# Altium PCB MB1936.PcbDoc (part 4 of 13) (continued)
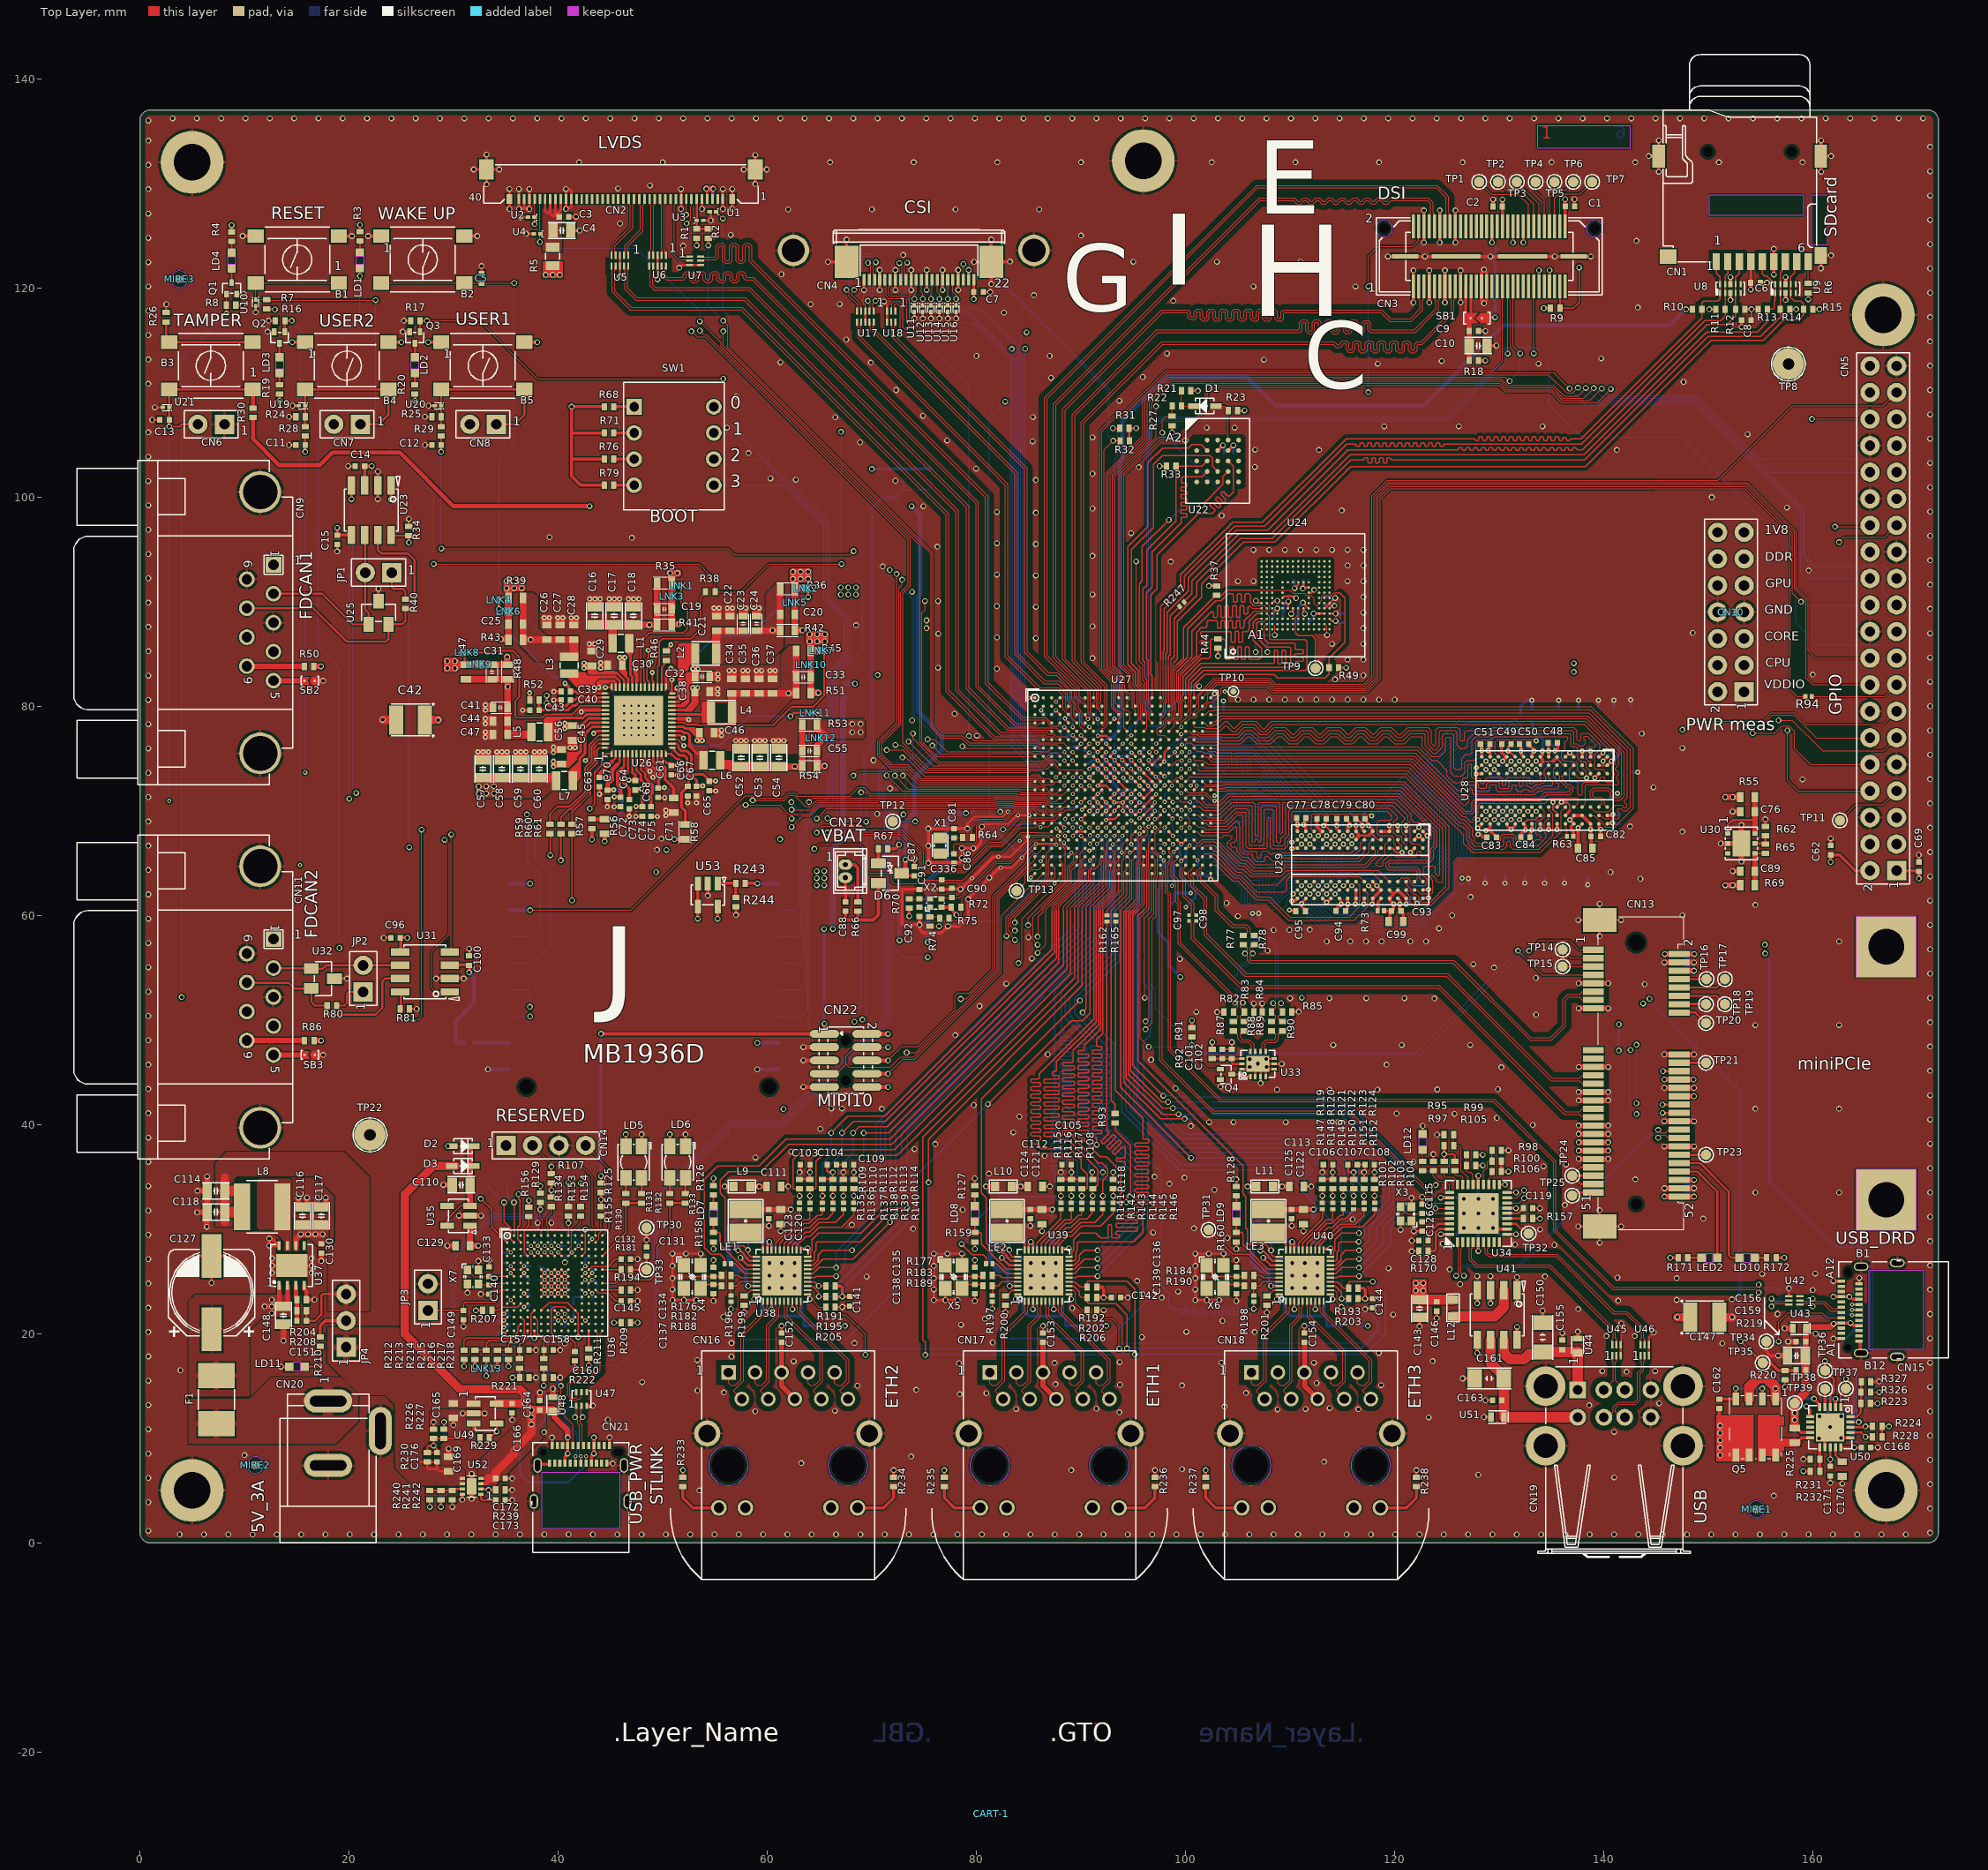
[diagram p0: Top Layer view]
## Nets (pads, with @x,y where several pads share a name; then routed paths per layer and width w, separated by ;. In a path a pad name is that pad's centre, name@x,y a point inside that pad or via, vN(x,y) a via of type N, cw(c..) or ccw(c..) an arc to the next point about the centre after c; other vN are vias at no path point) (continued)
  Top Layer w0.15: v3(42.61,74.804) 42.962,75.156 42.962,76.292 43.897,77.227 U26.53@44.53,77.227 ; U26.53@44.32,77.196 44.619,77.196 U26.53@44.65,77.227
  Top Layer w0.2: R4.1@8.773,125.35 v1(8.773,126) ; v1(13.363,109.2) R19.2@13.363,109.85 ; R3.1@21.047,125.375 v1(21.047,126.025) ; v1(26.287,109.2) R20.2@26.287,109.85 ; v1(97.509,102.95) R33.2@98.184,102.95 ; R92.1@102.55,47.19 v1(102.55,47.865) ; R23.2@104.966,108.275 v1(105.641,108.275) ; R103.2@124.725,36.475 v1(124.725,37.15) ; R97.2@124.725,37.975 v1(124.725,37.15) ; R104.1@125.75,36.475 125.75,37.025 125.625,37.15 v1(124.725,37.15) ; R99.2@127.75,37.105 v1(128.425,37.105) ; R106.2@130.2,35.5 v1(130.875,35.5) ; R157.2@133.211,31 v1(133.886,31) ; R228.2@166.595,10.125 R224.2@166.595,11.125 v1(167.27,11.125)
  Top Layer w0.25: v1(54.163,129.475) 54.163,129.394 54.25,129.306 CN2.4@54.25,128.5 ; CN2.3@54.75,128.5 v1@54.75,129.388 ; v1(79.75,118.925) C7.2@79.75,119.6 CN4.22@79.75,120.75
  Top Layer w0.3: v1(18.869,97.046) 18.869,96.371 U23.5@20.224,96.371 ; U31.5@24.945,56.545 24.945,57.9 v1@25.62,57.9 ; v1(53.25,124.051) R1.1@53.25,124.745 ; v1@54.75,129.388 v1(54.838,129.475) ; U22.B4@104.066,104.441 v1(104.566,104.941) ; v1(124.4,29.5) U34.36@125.25,29.5 ; v1(124.4,33) U34.29@125.25,33 ; v1(128,27.9) U34.5@128,28.75 ; U34.23@128,34.25 v1(128,35.1) ; R106.2@130.2,35.5 R100.2@130.2,36.5 ; CN3.36@130.3,125.87 C2.2@130.3,127.775 v1(130.3,128.45) ; U34.10@130.75,29.5 v1(131.6,29.5) ; U34.15@130.75,32 v1(131.6,32) ; v1(134.25,118.05) R9.1@134.9,118.05 ; v1(146.35,27.25) R171.2@147.125,27.25 ; R172.1@156.475,27.25 v1(157.25,27.25) ; U50.2@162.15,12.975 v1(162.15,13.75) ; CN5.1@167.995,64.27 170.055,64.27 C69.1@170.125,64.2 v1(170.125,63.525)
  Top Layer w0.4: v1(43.225,67.25) R57.1@43.225,68.302
  Top Layer w0.5: R50.1@16.647,83.8 v1(17.322,83.8) ; R86.1@16.65,48.025 v1(17.325,48.025) ; v1(55.915,34.07) L9.2@56.77,34.07 ; v1(80.915,34.07) L10.2@81.77,34.07 ; v1(105.915,34.07) L11.2@106.77,34.07 ; v1(137.587,37.5) CN13.41@139,37.5 v1(140.412,37.5) ; v1(137.587,38.3) CN13.39@139,38.3 v1(140.412,38.3) ; v1(145.787,33.1) CN13.52@147.2,33.1 v1(148.612,33.1) ; v1(145.787,44.3) CN13.24@147.2,44.3 v1(148.57,44.3) ; v1(145.83,56.3) CN13.2@147.2,56.3 v1(148.655,56.3)
  Top Layer w0.55: v1(54.163,129.475) v1(54.838,129.475)
  Top Layer w0.6: v1(151.614,71.3) v1(152.314,71.3) R55.1@153.055,71.3
  Top Layer w0.9: C57.2@32.8,73.15 C58.2@34.6,73.15 C59.2@36.4,73.15 C60.2@38.2,73.15 39.575,73.15 L7.2@39.6,73.125
  Bottom Layer w0.3: C174.2@54.825,128.725 54.838,128.737 v1(54.838,129.475) ; L15.2@66.52,20.75 v1(67.425,20.75) ; L14.2@91.52,20.75 v1(92.425,20.75) ; C175.2@104.566,104.216 v1(104.566,104.941) ; L13.2@116.52,20.75 v1(117.425,20.75) ; v1(124.4,29.5) C284.2@125.025,29.5 ; v1(124.4,33) C275.2@125.025,33 ; v1(128,27.9) C285.2@128,28.525 ; C273.2@128,34.475 v1(128,35.1) ; C283.2@130.975,29.5 v1(131.6,29.5) ; C277.2@130.975,31.125 C276.2@130.975,32 v1(131.6,32) ; v1(137.587,37.5) 137.688,37.4 C269.2@138.25,37.4 ; C268.1@139.75,38.4 140.312,38.4 v1(140.412,38.3) ; C274.1@147.9,32.95 148.462,32.95 v1(148.612,33.1) ; C265.1@147.9,56.45 148.462,56.45 v1@148.612,56.3 ; C335.1@161.45,13.75 v1(162.15,13.75) C334.1@162.85,13.75
  Bottom Layer w0.4: v1@59.045,47.8 CN25.7@61.055,47.8
  other v1: 59.04,47.805 25.565,57.845 32.4,71.65 33.125,71.65 33.85,71.65 32.4,72.325 33.125,72.325 33.85,72.325
3V3_AVDD_RGMII1: C308.2 C313.2 C316.2 C331.2 L14.1 U39.11 U39.40 | length 12.4
  Top Layer w0.2: v1(83.75,23.3) 83.75,23.75 U39.40@83.95,23.75 ; U39.11@88.85,23.75 89.05,23.75 v1(89.05,23.3)
  Bottom Layer w0.2: v1(83.75,23.3) 83.817,23.233 84.332,23.233 C313.2@84.445,23.12 ; C316.2@88.25,23.05 88.8,23.05 v1(89.05,23.3) C308.2@89.05,24
  Bottom Layer w0.3: C313.2@84.445,23.12 84.445,22.255 85.025,21.675 88.25,21.675 ; C316.2@88.25,23.05 88.25,21.675 ; L14.1@89.92,20.75 C331.2@88.525,20.75 88.525,21.4 88.25,21.675
3V3_AVDD_RGMII2: C309.2 C314.2 C317.2 C332.2 L15.1 U38.11 U38.40 | length 12.4
  Top Layer w0.2: v1(58.75,23.3) 58.75,23.75 U38.40@58.95,23.75 ; U38.11@63.85,23.75 64.05,23.75 v1(64.05,23.3)
  Bottom Layer w0.2: v1(58.75,23.3) 58.817,23.233 59.332,23.233 C314.2@59.445,23.12 ; C317.2@63.25,23.05 63.8,23.05 v1(64.05,23.3) C309.2@64.05,24
  Bottom Layer w0.3: C314.2@59.445,23.12 59.445,22.255 60.025,21.675 63.25,21.675 ; C317.2@63.25,23.05 63.25,21.675 ; L15.1@64.92,20.75 C332.2@63.525,20.75 63.525,21.4 63.25,21.675
3V3_AVDD_RGMII3: C307.2 C312.2 C315.2 C330.2 L13.1 U40.11 U40.40 | length 12.4
  Top Layer w0.2: v1(108.75,23.3) 108.75,23.75 U40.40@108.95,23.75 ; U40.11@113.85,23.75 114.05,23.75 v1(114.05,23.3)
  Bottom Layer w0.2: v1(108.75,23.3) 108.817,23.233 109.332,23.233 C312.2@109.445,23.12 ; C315.2@113.25,23.05 113.8,23.05 v1(114.05,23.3) C307.2@114.05,24
  Bottom Layer w0.3: C312.2@109.445,23.12 109.445,22.255 110.025,21.675 113.25,21.675 ; C315.2@113.25,23.05 113.25,21.675 ; L13.1@114.92,20.75 C330.2@113.525,20.75 113.525,21.4 113.25,21.675
3V3_DVDD_RGMII1: C105.2 C112.2 C142.2 C270.2 C271.2 C279.1 C294.2 L10.1 R108.2 R115.2 R116.2 R117.2 R118.2 R192.2 R202.2 R235.2 R316.2 R317.1 U39.28 U39.29 | length 51.4
  Top Layer w0.2: U39.29@85,28 85,28.575 v1(85.2,28.775) 85.4,28.575 U39.28@85.4,28 ; R115.2@88.075,34.75 R116.2@89.075,34.75 ; C105.2@89.075,36.17 v1(89.075,35.425) R116.2@89.075,34.75 ; R117.2@90.075,34.75 R116.2@89.075,34.75 ; v1(91.075,35.425) 91.075,34.8 R108.2@91.125,34.75 ; v1(92.17,23.45) C142.2@92.9,23.45 ; R118.2@93.075,34.75 v1(93.075,35.425)
  Top Layer w0.3: R235.2@76.925,6.275 v1(76.925,6.95) ; R202.2@91.495,23.45 v1(92.17,23.45) 92.17,24.308 92.028,24.45 R192.2@91.495,24.45 R192.2@91.495,24.413
  Top Layer w0.5: L10.1@83.37,34.07 v1(84.225,34.07) C112.2@84.92,34.07
  Signal Layer 2 w0.5: v1(76.925,6.95) 76.925,19.6 75.05,21.475 75.05,28.1 76.875,29.925 84.05,29.925 v1(85.2,28.775)
  Bottom Layer w0.2: R317.1@82.125,29.625 R316.2@83.15,29.625 84.13,29.625 84.325,29.43 C279.1@84.325,28.9 ; C271.2@90.775,36.15 90.775,35.725 v1(91.075,35.425) ; v1(93.075,35.425) 93.375,35.725 C270.2@93.375,36.15
  Bottom Layer w0.3: C279.1@84.325,28.9 84.402,28.823 85.152,28.823 v1(85.2,28.775) 85.2,28.75 C294.2@85.8,28.15
3V3_DVDD_RGMII2: C103.2 C104.2 C109.2 C111.2 C141.2 C280.1 C296.2 L9.1 R109.2 R110.2 R111.2 R112.2 R114.2 R191.2 R195.2 R233.2 R318.2 R319.1 U38.28 U38.29 | length 51.6
  Top Layer w0.2: U38.29@60,28 60,28.575 v1(60.2,28.775) 60.4,28.575 U38.28@60.4,28 ; R109.2@63.075,34.75 R110.2@64.075,34.75 v1(64.075,35.425) C103.2@64.075,36.17 ; R111.2@65.275,34.75 R112.2@66.275,34.75 v1(66.275,35.425) 65.842,35.425 65.725,35.542 C104.2@65.725,36.17 ; v1(67.17,23.55) C141.2@67.9,23.55 ; R114.2@68.275,34.75 v1(68.275,35.425) C109.2@68.275,36.15
  Top Layer w0.3: R233.2@51.925,6.275 v1(51.925,6.95) ; R195.2@66.495,23.55 v1(67.17,23.55) 67.17,24.408 67.028,24.55 R191.2@66.495,24.55 R191.2@66.495,24.513
  Top Layer w0.5: L9.1@58.37,34.07 v1(59.225,34.07) C111.2@59.92,34.07
  Signal Layer 2 w0.5: v1(51.925,6.95) 51.925,19.6 50.05,21.475 50.05,28.1 51.875,29.925 59.05,29.925 v1(60.2,28.775)
  Bottom Layer w0.2: R319.1@57.125,29.625 R318.2@58.15,29.625 59.13,29.625 59.325,29.43 C280.1@59.325,28.9
  Bottom Layer w0.3: C280.1@59.325,28.9 59.402,28.823 60.152,28.823 v1(60.2,28.775) 60.2,28.75 C296.2@60.8,28.15
3V3_DVDD_RGMII3: C106.2 C107.2 C108.2 C113.1 C144.2 C278.2 C292.2 L11.1 R119.2 R120.2 R121.2 R122.2 R124.2 R193.2 R203.2 R237.2 R314.2 R315.1 U40.28 U40.29 | length 51.6
  Top Layer w0.2: U40.29@110,28 110,28.575 v1(110.2,28.775) 110.4,28.575 U40.28@110.4,28 ; R119.2@113.075,34.75 R120.2@114.075,34.75 v1(114.075,35.425) C106.2@114.075,36.17 ; R121.2@115.075,34.75 R122.2@116.075,34.75 v1(116.075,35.425) 115.642,35.425 115.525,35.542 C107.2@115.525,36.17 ; v1(117.17,23.35) C144.2@117.9,23.35 ; R124.2@118.075,34.75 v1(118.075,35.425) C108.2@118.075,36.15
  Top Layer w0.3: R237.2@101.925,6.275 v1(101.925,6.95) ; R203.2@116.495,23.35 v1(117.17,23.35) 117.17,24.208 117.028,24.35 R193.2@116.495,24.35 R193.2@116.495,24.313
  Top Layer w0.5: L11.1@108.37,34.07 v1(109.225,34.07) C113.1@109.92,34.07
  Signal Layer 2 w0.5: v1(101.925,6.95) 101.925,19.6 100.05,21.475 100.05,28.1 101.875,29.925 109.05,29.925 v1(110.2,28.775)
  Bottom Layer w0.2: R315.1@107.125,29.625 R314.2@108.15,29.625 109.13,29.625 109.325,29.43 C278.2@109.325,28.9
  Bottom Layer w0.3: C278.2@109.325,28.9 109.402,28.823 110.152,28.823 v1(110.2,28.775) 110.2,28.75 C292.2@110.8,28.15
3V3_STLK: C129.2 C281.1 C282.1 C289.1 C290.1 C297.1 C298.1 C299.1 C303.1 C310.1 C311.1 C324.1 C325.1 C326.1 C327.1 C328.1 C329.1 C333.1 CN14.1 LD5.4 LD6.4 R156.2 R227.1 U35.1 U36.C1 U36.C5 U36.C6 U36.C7 U36.C8 U36.C9 U36.F3 U36.G3 U36.G13 U36.H13 U36.J12 U36.J13 U36.K4 U36.N8 U36.N9 U36.N10 U36.P1 U36.R1 | length 26.2
  Top Layer w0.15: v2(34.8,19.95) U36.R1@35.125,20.275 ; v2(34.8,20.6) U36.P1@35.125,20.925 ; U36.C1@35.125,28.075 v2(35.45,27.75) ; U36.G3@36.425,25.475 v2(36.75,25.8) ; U36.F3@36.425,26.125 v2(36.75,26.45) ; v2(36.75,23.85) U36.K4@37.075,23.525 ; v2(37.4,28.4) U36.C5@37.725,28.075 ; v2(38.05,28.4) U36.C6@38.375,28.075 ; v2(38.7,28.4) U36.C7@39.025,28.075 ; v2(39.35,28.4) U36.C8@39.675,28.075 ; U36.N8@39.675,21.575 v2(40,21.25) ; v2(40,28.4) U36.C9@40.325,28.075 ; U36.N9@40.325,21.575 v2(40.65,21.25) ; U36.N10@40.975,21.575 v2(41.3,21.25) ; U36.J12@42.275,24.175 v2(42.6,23.85) ; U36.J13@42.925,24.175 v2(43.25,23.85) ; U36.H13@42.925,24.825 v2(43.25,25.15) ; U36.G13@42.925,25.475 v2(43.25,25.8)
  Top Layer w0.2: R227.1@29.075,10.875 v1(29.075,11.55) ; LD5.4@46.475,37.9 v1(46.475,39.05) ; LD6.4@50.675,37.9 v1(50.675,39.05)
  Top Layer w0.3: R156.2@37.2,32.1 v1(37.2,32.745)
  Top Layer w0.6: U35.1@31.57,30.325 C129.2@31.57,28.4 v1(32.345,28.4)
  Bottom Layer w0.2: v2(36.75,23.85) 37.075,23.85 C324.1@37.325,23.6 ; v2(36.75,25.8) 36.788,25.762 36.788,25.587 37.045,25.33 37.07,25.33 37.225,25.175 C303.1@37.225,25.15 ; v2(36.75,26.45) C299.1@37.35,26.45 ; C289.1@36.75,28.4 v2(37.4,28.4) ; v2(38.05,28.4) C282.1@38.05,29.025 ; C327.1@39.3,21.25 v2(40,21.25) ; v2(39.35,28.4) C281.1@39.35,29.025 ; v2(40,28.4) C290.1@40.65,28.4 ; C333.1@40.65,20.625 v2(40.65,21.25) ; C311.1@42.1,24.275 42.1,24.25 42.255,24.095 42.28,24.095 42.487,23.888 42.562,23.888 v2(42.6,23.85) ; C325.1@43.25,23.225 v2(43.25,23.85) ; v2(43.25,25.15) 43.53,25.15 43.75,24.93 C310.1@43.75,24.5 ; v2(43.25,25.8) C298.1@43.25,26.375
  Bottom Layer w0.25: C329.1@34.225,20.15 34.425,19.95 v2(34.8,19.95) ; v2(34.8,20.6) 35.175,20.6 C328.1@35.375,20.8 ; C297.1@34.8,27.75 v2(35.45,27.75) ; v2(41.3,21.25) 41.455,21.405 C326.1@41.455,21.9
5V: CN25.10 R289.2 | length 3.4
  Bottom Layer w0.4: R289.2@31.95,47.813 31.962,47.8 CN25.10@35.295,47.8
5V_STI: C9.2 C10.2 CN3.21 CN3.23 R18.2 SB1.2 | length 10.4
  Top Layer w0.25: CN3.21@126.8,120.13 126.8,117.55 SB1.2@127.25,117.1 127.3,117.15 CN3.23@127.3,120.13
  Top Layer w0.5: R18.2@127.123,113.05 C10.2@127.123,114.475 C9.2@127.123,115.875 127.123,116.973 SB1.2@127.25,117.1
5V_STLK: C165.2 C169.2 C176.1 JP4.1 R230.1 U49.1 U52.5 U52.6 | length 5
  Top Layer w0.2: 26.8,7.725 R230.1@27.475,7.725 ; C169.2@29.52,6.825 28.65,6.825 28.425,7.05 ; R230.1@27.475,7.725 27.475,7.175 27.6,7.05 28.425,7.05 ; R230.1@27.475,7.725 C176.1@28.425,7.725 28.425,7.05
5V_VIN: C14.1 C29.2 C30.2 C32.2 C38.2 C42.1 C45.2 C46.2 C56.2 C62.2 C64.2 C67.2 C68.2 C100.1 C143.2 C146.2 C147.1 C162.2 CN5.2 CN5.4 D2.1 JP4.2 L12.1 Q5.5 Q5.6 R5.2 R18.1 R56.1 R210.2 R216.2 R289.1 U23.3 U26.6 U26.11 U26.15 U26.20 U26.24 U26.25 U26.38 U26.39 U26.49 U26.50 U31.3 | length 82.1
  Top Layer w0.15: 52,80.027 52.325,80.352 52.325,82.558 52.588,82.821 53.019,82.821 C32.2@53.125,82.927
  Top Layer w0.2: v1(38.8,121.25) v1(39.475,121.25) v1(40.15,121.25)
  Top Layer w0.21: C29.2@43.225,83.877 43.462,83.64 43.462,83.34 43.675,83.127 45.664,83.127 46.3,82.491 U26.39@46.3,81.797 ; 43.975,78.427 U26.50@44.53,78.427 ; 43.975,78.827 U26.49@44.53,78.827 ; U26.38@46.7,81.797 46.7,82.352 ; 47.1,73.677 U26.6@47.1,75.457 ; U26.11@49.1,75.457 49.1,74.67 49.74,74.03 49.74,73.802 ; U26.15@50.87,76.027 U26.15@50.945,76.027 U26.15@50.985,76.027 ; U26.20@50.87,78.027 51.425,78.027 ; U26.24@50.87,79.627 51.425,79.627 ; U26.25@50.87,80.027 52,80.027
  Top Layer w0.25: C56.2@40.3,74.577 41.075,74.577 42.15,75.652 42.15,77.496 43.081,78.427 43.975,78.427 ; C45.2@41.375,78.102 42.191,78.102 42.916,78.827 43.975,78.827 ; C30.2@46.125,83.902 46.194,83.833 46.194,83.135 46.7,82.629 46.7,82.352 ; 51.095,75.922 51.095,75.774 51.571,75.299 52.053,75.299 52.325,75.027 52.325,73.586 52.834,73.077 53.079,73.077 53.225,72.931 C67.2@53.225,72.377 ; 51.425,78.027 51.988,78.027 52.163,77.852 53.047,77.852 53.172,77.727 53.25,77.727 53.447,77.53 C46.2@53.447,77.452 ; 51.425,79.627 52.45,79.627 52.775,79.952
  Top Layer w0.3: R210.2@17.25,19.7 17.25,20.765 17.725,21.24 JP4.2@19.725,21.24 ; U23.3@21.494,101.121 21.494,102.956 v1(22.169,102.956) ; U31.3@29.695,55.275 31.53,55.275 v1@31.53,54.6 ; v1(35.25,16.88) R216.2@35.25,17.525 ; v1(39.475,121.25) R5.2@39.475,122.125 ; v3(46.765,72.937) 47.375,72.937 47.374,72.938 47.374,73.403 47.1,73.677 ; C68.2@49.55,72.207 C68.2@49.575,72.207 ; 49.74,73.802 49.74,73.096 49.575,72.931 C68.2@49.575,72.207 ; v3(50.16,72.207) C68.2@49.575,72.207 ; C67.2@53.225,72.377 v3(53.835,72.377) ; R18.1@128.023,113.05 v1(128.673,113.05) ; C162.2@151.045,12.85 151.045,11.28 v1(151.125,11.2) ; v1(161.7,65.1) C62.2@161.7,65.775 162.55,65.775 164.055,64.27 CN5.2@165.455,64.27
  Top Layer w0.4: v1(44.45,67.075) R56.1@44.45,67.802
  Top Layer w0.5: v1(29.45,37.925) D2.1@29.83,37.925 D2.1@30.225,37.925
  Top Layer w0.55: v1(122.025,24.125) v1(122.725,24.125) v1(122.725,24.825) v1(122.025,24.825) ; v1(151.125,11.2) v1(151.125,10.5) v1(151.125,9.8) v1(151.125,9.1) v1(151.125,8.4) Q5.5@152.615,8.4
  Top Layer w0.6: 52.775,79.952 53.1,80.277 C38.2@53.1,81.002
  Top Layer w0.8: C42.1@27.25,78.7 27.275,78.675 v1(28.525,78.675) ; v1(147.025,21.575) C147.1@148.275,21.575
  Top Layer w1: C143.2@122.375,23.25 L12.1@125.575,23.25
  Bottom Layer w0.4: R289.1@31.05,47.813 30.409,47.813 30.175,48.047 30.175,49.875 31.95,51.65 31.95,54.07 v1(31.475,54.545)
  other v3: 39.55,74.227 39.55,74.727 53.275,76.702 53.775,76.702 40.625,77.852 40.625,78.352 52.85,81.752 53.35,81.752 52.875,83.577 53.375,83.577 42.475,83.627 42.475,84.127 45.875,84.652 46.375,84.652
100MCLK0_N: R88.1 U33.10 | length 3
  Top Layer w0.09: R88.1@105.625,48.94 105.415,48.73 105.278,48.73 105.225,48.678 105.225,48.34 105.45,48.115 106.104,48.115 106.55,47.669 106.55,47.24 U33.10@106.625,47.165
100MCLK0_P: R87.1 U33.11 | length 3.2
  Top Layer w0.09: R87.1@104.575,48.94 104.785,48.73 104.922,48.73 104.975,48.678 104.975,48.237 105.073,48.138 105.346,47.865 106,47.865 106.15,47.715 106.3,47.565 106.3,47.24 106.175,47.115 U33.11@106.175,46.99
100MCLK1_N: R89.1 U33.9 | length 3.1
  Top Layer w0.09: U33.9@107.225,47.165 107.3,47.24 107.3,47.323 107.3,47.719 107.671,48.09 108.5,48.09 108.625,48.215 108.625,48.678 108.572,48.73 108.435,48.73 R89.1@108.225,48.94
100MCLK1_P: R90.1 U33.8 | length 3.3
  Top Layer w0.09: U33.8@107.675,46.99 107.675,47.115 107.55,47.24 107.55,47.426 107.55,47.615 107.775,47.84 108.604,47.84 108.875,48.112 108.875,48.678 108.928,48.73 109.065,48.73 R90.1@109.275,48.94
BOOT0: SW1.8 U27.R4 | length 72.7
  Top Layer w0.09: 84.655,69.035 85.264,69.035 85.354,69.125 87.525,69.125 U27.R4@88,69.6
  Top Layer w0.1: v1(65.75,69.275) 66.325,68.7 68.864,68.7 69.389,68.175 72.825,68.175 74.95,66.05 74.95,64.8 75.275,64.475 78.733,64.475 81.275,67.017 82.36,67.017 84.378,69.035 84.655,69.035
  Bottom Layer w0.1: SW1.8@54.885,108.625 66,97.51 66,90.375 67.9,88.475 67.9,84.508 66.475,83.083 66.475,70.717 65.75,69.992 v1(65.75,69.275)
BOOT1: SW1.7 U27.R3 | length 67.9
  Top Layer w0.09: 83.448,70.265 85.615,70.265 85.985,69.895 86.522,69.895 86.817,69.6 U27.R3@87.2,69.6
  Top Layer w0.1: v1(64.725,69.25) 65.675,70.2 81.974,70.2 82.099,70.325 83.388,70.325 83.448,70.265
  Bottom Layer w0.1: SW1.7@54.885,106.125 57.102,106.125 65.8,97.427 65.8,90.292 67.7,88.392 67.7,84.591 66.275,83.166 66.275,70.8 v1(64.725,69.25)
BOOT2: SW1.6 U27.T2 | length 71.1
  Top Layer w0.09: 84.65,68.41 85.613,68.41 86.003,68.8 U27.T2@86.4,68.8
  Top Layer w0.1: v1(65.75,67.917) 66.133,68.3 68.699,68.3 69.224,67.775 72.659,67.775 74.55,65.884 74.55,64.634 75.109,64.075 78.899,64.075 81.39,66.566 82.447,66.566 84.29,68.41 84.65,68.41
  Bottom Layer w0.1: SW1.6@54.885,103.625 59.319,103.625 65.6,97.344 65.6,90.209 67.5,88.309 67.5,84.674 66.075,83.249 66.075,71.417 64.275,69.617 64.275,68.725 64.525,68.475 65.192,68.475 v1(65.75,67.917)
BOOT3: SW1.5 U27.T1 | length 70
  Top Layer w0.1: v1(64.725,67.917) 65.308,68.5 68.781,68.5 69.306,67.975 72.742,67.975 74.75,65.967 74.75,64.717 75.192,64.275 78.816,64.275 81.308,66.766 82.378,66.766 84.412,68.8 U27.T1@85.6,68.8
  Bottom Layer w0.1: SW1.5@54.885,101.125 61.536,101.125 65.4,97.261 65.4,90.126 67.3,88.226 67.3,84.756 65.875,83.331 65.875,75.4 65.06,74.585 65.06,74.103 65.875,73.288 65.875,71.5 64.075,69.7 64.075,68.567 v1(64.725,67.917)
BUTTON.TAMP: B3.1 B3.2 C13.2 CN6.2 R30.1 U21.1 U27.M6 | length 147.3
  Top Layer w0.1: v2(89.2,71.6) U27.M6@89.6,72
  Top Layer w0.2: CN6.2@5.543,106.95 4,106.95 3.775,106.725 v1(2.812,106.725) C13.2@2.812,107.375 U21.1@2.812,108.563 B3.2@2.812,110.3 B3.1@10.763,110.3 B3.1@10.813,110.25
  Top Layer w0.4: R30.1@10.813,108.512 B3.1@10.813,110.25
  Signal Layer 2 w0.1: v2(2.812,70.938) 2.825,70.925 13.825,70.925 16.35,73.45 42.4,73.45 44.5,75.55 53.35,75.55 55.025,73.875 59.625,73.875 60.8,72.7 65.958,72.7 66.675,73.417 66.675,74.125 68.25,75.7 70.55,78 80.416,78 80.445,77.971 81.172,77.243 86.816,71.6 v2(89.2,71.6)
  Bottom Layer w0.1: v2(2.812,70.938) v1(2.812,106.725)
BUTTON.USER1: C12.2 R29.1 U27.E14 | length 94.8
  Top Layer w0.09: 95.675,83.725 95.675,82.25 95.945,81.98 95.945,80.457 96.05,80.352 96.05,79.588 96.31,79.328 96.31,77.91 U27.E14@96,77.6
  Top Layer w0.1: v1(28.825,95.075) 56.275,95.075 56.87,94.48 67.905,94.48 v1(68.25,94.825) ; v1(95.275,93.85) 95.275,84.125 95.675,83.725
  Top Layer w0.2: v1(28.813,104.325) C12.2@28.813,104.975 R29.1@28.813,105.825
  Signal Layer 2 w0.1: v1(68.25,94.825) 68.595,94.48 90.176,94.48 90.806,93.85 v1(95.275,93.85)
  Bottom Layer w0.1: v1(28.813,104.325) 28.813,95.088 v1(28.825,95.075)
BUTTON.USER2: C11.2 R28.1 U27.L5 | length 112.4
  Top Layer w0.1: v2(88.4,72.4) U27.L5@88.8,72.8
  Top Layer w0.2: v1(15.813,104.325) C11.2@15.813,104.975 R28.1@15.813,105.825
  Signal Layer 2 w0.1: v2@15.825,73.65 42.317,73.65 44.417,75.75 53.075,75.75 53.433,75.75 55.108,74.075 59.708,74.075 60.883,72.9 65.875,72.9 66.475,73.5 66.475,74.208 70.467,78.2 80.781,78.2 86.182,72.799 88,72.799 v2(88.4,72.4)
  Bottom Layer w0.1: v2(15.812,73.65) v1(15.813,104.325)
CAM_ENABLE: CN4.18 U16.1 U27.G5 | length 64.3
  Top Layer w0.09: 81.172,76.702 85.898,76.702 86.105,76.495 88.305,76.495 U27.G5@88.8,76
  Top Layer w0.1: CN4.18@77.75,120.75 77.75,119.6 78.055,119.295 78.055,118.942 v1(78.06,118.937) U16.1@78.06,118.312 ; v1(79.3,77.15) 79.748,76.702 81.172,76.702
  Bottom Layer w0.1: v1(78.06,118.937) 77.75,119.247 77.75,119.677 77.46,119.967 77.46,119.974 76.934,120.5 73.566,120.5 73.125,120.059 73.125,119.705 72.85,119.43 72.85,117.25 79.3,110.8 v1(79.3,77.15)
CAM_RESET: CN4.17 U15.1 U27.L6 | length 67.6
  Top Layer w0.1: CN4.17@77.25,120.75 77.26,120.74 v1(77.26,118.937) U15.1@77.26,118.312 ; v2(89.2,72.4) U27.L6@89.6,72.8
  Bottom Layer w0.1: v1(77.26,118.937) 77.26,119.891 76.851,120.3 73.649,120.3 73.325,119.976 73.325,119.6 73.05,119.325 73.05,117.4 73.813,116.637 79.721,116.637 83.25,113.108 83.25,76.225 87.445,72.03 88.83,72.03 v2(89.2,72.4)
COMBOTX1_N: C98.1 U27.AB19 | length 5.3
  Top Layer w0.09: U27.AB19@100,64 99.96,64.04 99.96,64.219 99.904,64.275 99.756,64.275 99.7,64.219 99.7,63.8 99.775,63.725 100.025,63.475 100.025,61.9 100.548,61.378 100.799,61.126 100.799,60.5 100.799,60.251 100.895,60.155 100.895,60.13 101,60.025 C98.1@101.025,60.025
COMBOTX1_P: C97.1 U27.AA19 | length 5.7
  Top Layer w0.09: U27.AA19@100,64.8 99.96,64.76 99.96,64.581 99.904,64.525 99.622,64.525 99.45,64.354 99.45,63.696 99.775,63.371 99.775,61.796 100.361,61.211 100.549,61.022 100.549,60.249 100.455,60.155 100.455,60.13 100.35,60.025 C97.1@100.325,60.025
CSI.CK_N: U17.9 U27.D6 | length 47.3
  Top Layer w0.09: U17.9@69.775,116.725 69.83,116.67 69.83,116.387 69.85,116.367 69.85,116.046 69.996,115.9 83.675,102.221 83.675,84.963 86.488,82.15 87.826,82.15 88.715,81.261 88.715,80.495 89.085,80.125 89.085,78.915 U27.D6@89.6,78.4
CSI.CK_P: U17.10 U27.C6 | length 47
  Top Layer w0.09: U17.10@70.175,116.725 70.12,116.67 70.12,116.387 70.1,116.367 70.1,116.15 83.925,102.325 83.925,85.066 86.591,82.4 87.93,82.4 88.965,81.365 88.965,80.599 89.335,80.229 89.335,79.053 89.473,78.915 89.547,78.915 89.6,78.968 U27.C6@89.6,79.2
CSI.CKcon_N: CN4.8 U17.2 | length 9.6
  Top Layer w0.09: v1(69.6,118.75) 69.6,118.745 69.85,118.495 69.85,118.133 69.83,118.113 69.83,117.83 U17.2@69.775,117.775 ; v1(72.625,122.363) 72.875,122.113 72.875,121.348 72.855,121.328 72.855,121.295 72.75,121.19 CN4.8@72.75,120.75 ; v1@72.625,122.413 v1@72.65,122.388
  Bottom Layer w0.09: v1(69.6,118.75) 69.6,118.755 69.85,119.005 69.85,120.529 70.121,120.8 72.75,120.8 72.875,120.925 72.875,122.113 v1(72.625,122.363) ; v1@72.625,122.413 v1@72.65,122.388
CSI.CKcon_P: CN4.9 U17.1 | length 9.6
  Top Layer w0.09: U17.1@70.175,117.775 70.12,117.83 70.12,118.113 70.1,118.133 70.1,118.495 70.35,118.745 v1(70.35,118.75) ; CN4.9@73.25,120.75 73.145,120.855 73.145,121.328 73.125,121.348 73.125,122.163 v1(73.375,122.413)
  Bottom Layer w0.09: v1(70.35,118.75) 70.35,118.755 70.1,119.005 70.1,120.425 70.225,120.55 72.854,120.55 73.125,120.821 73.125,122.163 v1(73.375,122.413)
CSI.D0_N: U17.7 U27.B5 | length 46.7
  Top Layer w0.09: U17.7@68.975,116.725 68.92,116.67 68.92,116.387 68.9,116.367 68.9,116.293 68.9,115.325 69.177,115.048 76.016,108.209 81.484,102.741 83.025,101.2 83.025,84.8 86.075,81.75 87.9,81.75 88.535,81.115 88.535,81.011 88.535,79.853 88.673,79.715 88.747,79.715 88.8,79.768 U27.B5@88.8,80
CSI.D0_P: U17.6 U27.C5 | length 47
  Top Layer w0.09: U17.6@68.575,116.725 68.63,116.67 68.63,116.387 68.65,116.367 68.65,116.189 68.65,115.221 75.839,108.033 81.308,102.564 82.775,101.096 82.775,84.696 83.173,84.298 85.971,81.5 87.796,81.5 88.106,81.19 88.285,81.011 88.285,79.715 U27.C5@88.8,79.2
CSI.D0con_N: CN4.2 U17.4 | length 9.5
  Top Layer w0.09: v1@68.325,119.8 68.075,119.55 68.075,119.304 68.9,118.479 68.9,118.133 68.92,118.113 68.92,117.83 U17.4@68.975,117.775 ; v1(69.625,122.403) 69.875,122.153 69.875,121.348 69.855,121.328 69.855,121.295 69.75,121.19 CN4.2@69.75,120.79 ; v1@69.625,122.453 v1@69.65,122.428
  Bottom Layer w0.09: v1(68.325,119.805) 68.325,119.811 68.075,120.061 68.075,121.975 69.121,123.021 69.8,123.021 69.875,122.946 69.875,122.658 69.625,122.408 v1(69.625,122.403)
CSI.D0con_P: CN4.3 U17.5 | length 10.3
  Top Layer w0.09: v1@67.575,119.8 67.825,119.55 67.825,119.2 67.95,119.075 68.65,118.375 68.65,118.133 68.63,118.113 68.63,117.83 U17.5@68.575,117.775 ; CN4.3@70.25,120.79 70.25,121.19 70.145,121.295 70.145,121.328 70.125,121.348 70.125,122.203 v1(70.375,122.453)
  Bottom Layer w0.09: v1(67.575,119.805) 67.575,119.811 67.825,120.061 67.825,122.079 69.018,123.271 69.904,123.271 70.125,123.05 70.125,122.708 70.375,122.458 v1(70.375,122.453)
CSI.D1_N: U18.5 U27.E7 | length 47.3
  Top Layer w0.09: U18.5@71.85,116.725 71.905,116.67 71.905,116.387 71.925,116.367 71.925,116.293 71.925,115.321 72.097,115.149 81.853,105.394 83.719,103.527 84.6,102.646 84.6,85.121 86.771,82.95 87.634,82.95 89.145,81.439 89.145,80.673 89.52,80.298 89.52,79.693 89.885,79.328 89.885,78.115 U27.E7@90.4,77.6
CSI.D1_P: U18.6 U27.D7 | length 47
  Top Layer w0.09: U18.6@72.25,116.725 72.195,116.67 72.195,116.387 72.175,116.367 72.175,116.189 72.175,115.425 82.03,105.57 83.896,103.704 84.85,102.75 84.85,85.225 86.875,83.2 87.738,83.2 89.395,81.543 89.395,81.439 89.395,80.91 89.394,80.909 89.394,80.776 89.75,80.42 89.75,79.788 90.115,79.424 90.115,78.273 90.273,78.115 90.347,78.115 90.4,78.168 U27.D7@90.4,78.4
CSI.D1con_N: CN4.5 U18.2 | length 12.6
  Top Layer w0.09: CN4.5@71.25,120.75 71.25,120.205 71.375,120.08 71.375,119.215 71.59,119 73.2,119 73.35,118.85 73.35,116.671 74.075,115.946 74.075,115.85 73.875,115.65 73.525,115.65 72.95,116.225 72.95,118.379 72.604,118.725 72.146,118.725 71.925,118.504 71.925,118.133 71.905,118.113 71.905,117.83 U18.2@71.85,117.775
CSI.D1con_P: CN4.6 U18.1 | length 12.6
  Top Layer w0.09: CN4.6@71.75,120.75 71.75,120.205 71.625,120.08 71.625,119.319 71.694,119.25 73.304,119.25 73.426,119.127 73.6,118.954 73.6,116.775 74.325,116.05 74.325,115.746 73.979,115.4 73.421,115.4 72.7,116.121 72.7,118.275 72.575,118.4 72.5,118.475 72.25,118.475 72.175,118.4 72.175,118.133 72.195,118.113 72.195,117.83 U18.1@72.25,117.775
DDR_A0: R265.1 U27.K18 U28.P3 U29.P3 | length 57.4
  Top Layer w0.09: U27.K18@99.2,73.6 v2(99.6,74) ; v4(111.9,66.825) 111.941,66.825 112.294,66.472 U29.P3@112.294,66.422 ; v4@129.532,73.928 129.572,73.928 129.925,73.575 U28.P3@129.925,73.55 U28.P3@129.925,73.525
  Bottom Layer w0.09: v2(99.6,74) 100.267,73.333 100.646,73.333 100.771,73.209 102.988,73.209 103.252,72.945 106.961,72.945 108.091,71.815 108.091,71.615 107.965,71.49 106.3,71.49 106.077,71.267 106.077,70.58 106.3,70.357 109.549,70.357 110.095,69.811 110.095,69.06 109.909,68.874 109.909,68.291 110.177,68.022 111.269,68.022 111.5,67.791 111.5,67.301 111.894,66.908 112.38,66.422 112.983,66.422 114.772,64.633 117.533,64.633 117.9,65 119.375,65 119.575,65.2 119.575,65.459 120.513,66.397 120.513,66.588 120.885,66.96 120.885,67.391 121.7,68.206 121.7,68.718 121.76,68.779 121.76,69.109 122.92,70.269 122.92,70.774 122.921,70.775 122.921,70.812 127.443,75.333 128.702,75.333 129.12,74.915 129.12,74.596 129.362,74.355 129.434,74.355 129.511,74.278 129.511,74.109 129.454,74.052 129.525,73.981 129.525,73.975 129.551,73.95 130.09,73.95 130.245,73.795 130.363,73.795 132.433,71.725 136.35,71.725 136.825,72.2 R265.1@137.5,72.2
  other v4: 129.525,73.95
DDR_A1: R281.1 U27.P16 U28.P7 U29.P7 | length 54.7
  Top Layer w0.09: U27.P16@97.6,70.4 v2(97.975,70.025) ; v4(111.9,62.825) U29.P7@112.3,63.225 ; v4@129.54,69.936 U28.P7@129.932,70.328
  Bottom Layer w0.09: v2(97.975,70.025) 97.975,69.95 98.25,69.675 99.45,69.675 99.53,69.595 99.693,69.595 100.029,69.259 101.146,69.259 101.995,68.41 101.995,66.636 102.285,66.347 103.212,66.347 106.181,63.378 106.972,63.378 107.099,63.25 107.099,61.878 107.235,61.742 108.219,61.742 108.555,62.078 108.555,62.657 108.702,62.804 109.281,62.804 109.834,63.357 110.575,63.357 110.675,63.457 111.319,63.457 111.37,63.405 111.9,62.875 v4(111.9,62.825) ; v4@111.9,62.816 111.9,62.504 111.985,62.42 112.064,62.42 112.295,62.189 112.295,61.694 112.365,61.624 112.365,60.958 113.803,59.52 121.655,59.52 124.605,62.47 124.605,64.183 126.361,65.939 126.361,69.387 127.456,70.482 128.43,70.482 128.483,70.535 129.004,70.535 129.525,70.014 v4(129.525,69.95) 129.525,69.9 129.725,69.7 129.725,69.509 129.92,69.314 129.92,68.88 130.035,68.765 130.035,67.886 130.722,67.2 131.225,67.2 131.9,66.525 R281.1@131.975,66.525